# KiCad board Havoc6295_2_0.kicad_pro.kicad_pcb
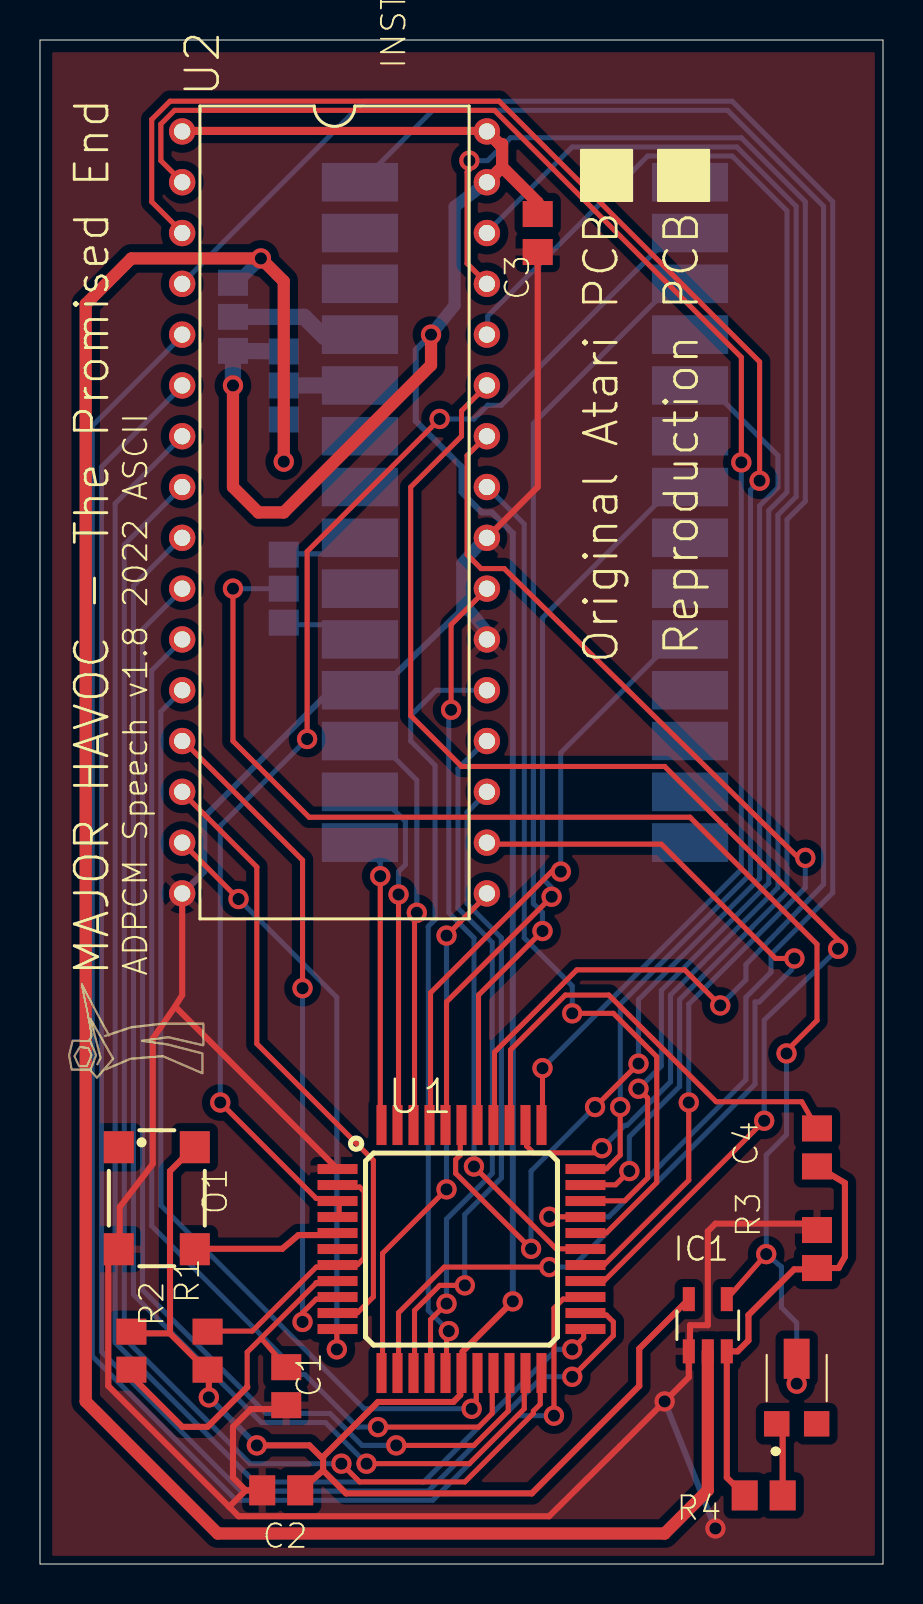
[diagram p0: board, top side]
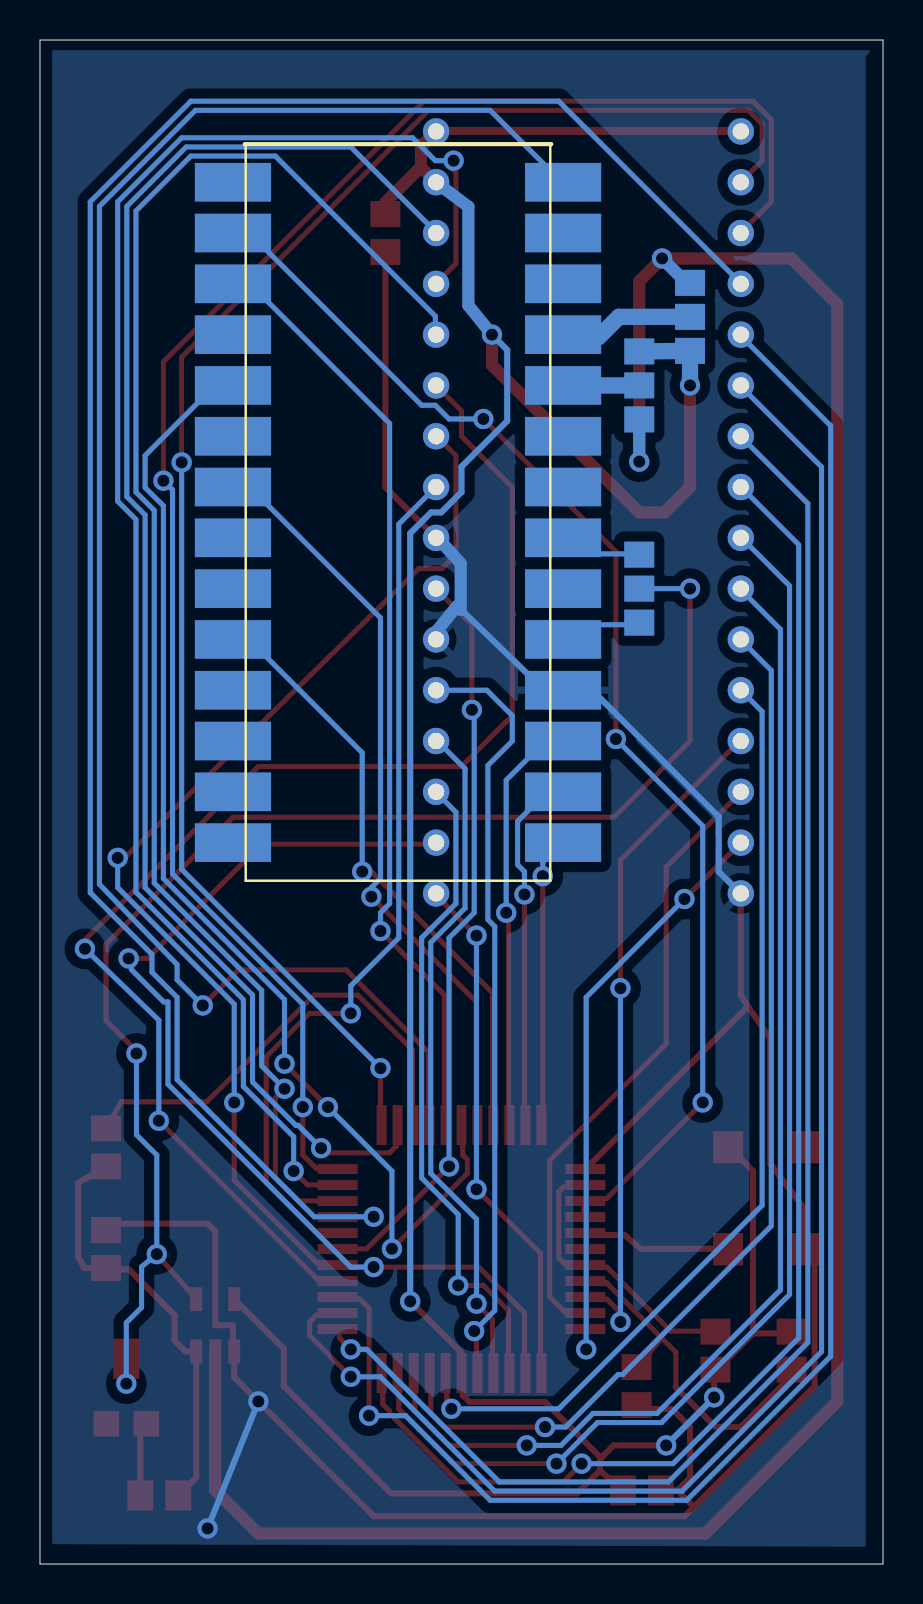
[diagram p1: board, bottom side, seen from below]

Outline 42.16 x 76.2 mm; copper layers: Top, Bottom. Coordinates in mm from the lower left corner of the outline.
Outline path: 0,76.2 0,0 42.16,0 42.16,76.2 0,76.2

## Placement (name value [footprint] x y rotation side)
C1  0.1uf  [C0805]  12.32 8.89 270 top
C2  0.1uf  [C0805]  12.07 3.68 180 top
C3  0.1uf  [C0805]  24.89 66.55 270 top
C4  0.1uf  [C0805]  38.86 20.83 270 top
IC1  LMV321M5X  [SOT23-5]  33.4 11.94 0 top
INSTALL @11N  TMS5220X  [DIL28-SMT]  28.7 61.47 270 bottom
JMP1  0R-JUMPB  [B0R-JMP]  12.19 48.77 0 bottom
JMP2  0R-JUMPB  [B0R-JMP]  9.65 62.36 180 bottom
JMP3  0R-JUMPB  [B0R-JMP]  12.19 58.93 180 bottom
O1  -  [SM77H]  5.84 18.29 270 top
R1  1K  [R0805]  8.38 10.67 270 top
R2  1K  [R0805]  4.57 10.67 90 top
R3  10K  [R0805]  38.86 15.75 270 top
R4  10K  [R0805]  36.2 3.43 0 top
U1  MSM6295  [PQFP44]  21.08 15.75 0 top
U2  M27C2001F  [FDIP32]  14.73 52.58 270 top
U$1  HAVOCASCII  [HAVOC]  1.4 24.26 0 top
VR1  -  [23BR20KLFTR]  37.85 8.64 90 top

## Footprints (pads in the part's own frame, mm; a bottom-side part is the same pattern mirrored in y, then rotated)
23BR20KLFTR
  rect 1.27x1.27 smd: 1(-1.625,1) 3(-1.625,-1)
  rect 2.007x1.295 smd: 2(1.625,0)
B0R-JMP
  rect 1.5x1.3 smd: 1(0,1.7) 2(0,0) 3(0,-1.7)
C0805
  rect 1.3x1.5 smd: 1(-0.95,0) 2(0.95,0)
DIL28-SMT
  rect 1.93x3.81 smd: P$1(-7.62,12.7) P$2(-5.08,12.7) P$3(-2.54,12.7) P$4(0,12.7) P$5(2.54,12.7) P$6(5.08,12.7) P$7(7.62,12.7) P$8(10.16,12.7) P$9(12.7,12.7) P$10(15.24,12.7) P$11(17.78,12.7) P$12(20.32,12.7) P$13(22.86,12.7) P$14(25.4,12.7) P$15(25.4,-3.81) P$16(22.86,-3.81) P$17(20.32,-3.81) P$18(17.78,-3.81) P$19(15.24,-3.81) P$20(12.7,-3.81) P$21(10.16,-3.81) P$22(7.62,-3.81) P$23(5.08,-3.81) P$24(2.54,-3.81) P$25(0,-3.81) P$26(-2.54,-3.81) P$27(-5.08,-3.81) P$28(-7.62,-3.81)
FDIP32
  round 1.321 hole 0.813: 1(-19.05,-7.62) 2(-16.51,-7.62) 3(-13.97,-7.62) 4(-11.43,-7.62) 5(-8.89,-7.62) 6(-6.35,-7.62) 7(-3.81,-7.62) 8(-1.27,-7.62) 9(1.27,-7.62) 10(3.81,-7.62) 11(6.35,-7.62) 12(8.89,-7.62) 13(11.43,-7.62) 14(13.97,-7.62) 15(16.51,-7.62) 16(19.05,-7.62) 17(19.05,7.62) 18(16.51,7.62) 19(13.97,7.62) 20(11.43,7.62) 21(8.89,7.62) 22(6.35,7.62) 23(3.81,7.62) 24(1.27,7.62) 25(-1.27,7.62) 26(-3.81,7.62) 27(-6.35,7.62) 28(-8.89,7.62) 29(-11.43,7.62) 30(-13.97,7.62) 31(-16.51,7.62) 32(-19.05,7.62)
PQFP44
  rect 2x0.5 smd: 1(-6.2,4) 2(-6.2,3.2) 3(-6.2,2.4) 4(-6.2,1.6) 5(-6.2,0.8) 6(-6.2,0) 7(-6.2,-0.8) 8(-6.2,-1.6) 9(-6.2,-2.4) 10(-6.2,-3.2) 11(-6.2,-4) 23(6.2,-4) 24(6.2,-3.2) 25(6.2,-2.4) 26(6.2,-1.6) 27(6.2,-0.8) 28(6.2,0) 29(6.2,0.8) 30(6.2,1.6) 31(6.2,2.4) 32(6.2,3.2) 33(6.2,4)
  rect 0.5x2 smd: 12(-4,-6.2) 13(-3.2,-6.2) 14(-2.4,-6.2) 15(-1.6,-6.2) 16(-0.8,-6.2) 17(0,-6.2) 18(0.8,-6.2) 19(1.6,-6.2) 20(2.4,-6.2) 21(3.2,-6.2) 22(4,-6.2) 34(4,6.2) 35(3.2,6.2) 36(2.4,6.2) 37(1.6,6.2) 38(0.8,6.2) 39(0,6.2) 40(-0.8,6.2) 41(-1.6,6.2) 42(-2.4,6.2) 43(-3.2,6.2) 44(-4,6.2)
R0805
  rect 1.3x1.5 smd: 1(-0.95,0) 2(0.95,0)
SM77H
  rect 1.6x1.5 smd: 1(-2.55,-1.9) 2(2.55,-1.9) 3(2.55,1.9) 4(-2.55,1.9)
SOT23-5
  rect 0.6x1.2 smd: 1(-0.95,-1.306) 2(0,-1.306) 3(0.95,-1.306) 4(0.95,1.306) 5(-0.95,1.306)

## Nets
+5V: C2.1 C3.1 IC1.5 JMP2.3 JMP3.1 O1.4 R1.2 R2.2 U1.17 U2.1 U2.31 U2.32
-5V: IC1.2 JMP2.1 JMP3.3
GND: C1.2 C2.2 C3.2 IC1.1 INSTALL @11N.P$11 O1.2 R3.1 U1.1 U2.16 U2.22 U2.24
N$1: U1.18 U2.12
N$2: U1.19 U2.11
N$3: U1.20 U2.10
N$4: U1.21 U2.9
N$5: U1.22 U2.8
N$6: INSTALL @11N.P$14 U1.44
N$7: INSTALL @11N.P$13 U1.43
N$8: INSTALL @11N.P$27 U1.3 U1.4
N$9: U1.25 U2.5
N$10: R1.1 U1.2 U1.7
N$11: C1.1 R2.1 U1.8
N$12: U1.9 U2.13
N$13: U1.10 U2.14
N$14: U1.11 U2.15
N$15: U1.12 U2.17
N$16: U1.13 U2.18
N$17: U1.14 U2.19
N$18: U1.15 U2.20
N$19: U1.16 U2.21
N$20: U1.23 U2.7
N$21: U1.24 U2.6
N$22: U1.26 U2.27
N$23: U1.27 U2.26
N$24: U1.28 U2.23
N$25: U1.29 U2.25
N$26: U1.30 U2.4
N$27: U1.31 U2.28
N$28: U1.32 U2.29
N$29: U1.33 U2.3
N$30: U1.34 U2.2
N$31: U1.35 U2.30
N$32: INSTALL @11N.P$12 U1.42
N$33: INSTALL @11N.P$19 U1.41
N$34: INSTALL @11N.P$22 U1.40
N$35: INSTALL @11N.P$24 U1.39
N$36: INSTALL @11N.P$26 U1.38
N$37: INSTALL @11N.P$1 U1.37
N$38: O1.3 U1.5
N$39: INSTALL @11N.P$4 JMP2.2
N$40: C4.1 U1.36
N$41: C4.2 IC1.3 R3.2 R4.1
N$42: INSTALL @11N.P$5 JMP3.2
N$43: INSTALL @11N.P$10 JMP1.1
N$44: INSTALL @11N.P$8 JMP1.3
N$45: R4.2 VR1.1
N$46: IC1.4 JMP1.2 VR1.2

Pads without a net: INSTALL @11N P$2 P$3 P$6 P$7 P$9 P$15 P$16 P$17 P$18 P$20 P$21 P$23 P$25 P$28; O1 1; U1 6; VR1 3

## Via types
v1: diameter 1.016, hole 0.61, Top to Bottom, 61 vias

## Routing (per net, layer and track width the routed paths; a pad name or vN(x,y) marks a point on that pad's centre or on a via; arc(x,y) is an arc through that point)
+5V: length 168.6
  Top w0.305: 14.16,5.36 16.9,8.1 20.68,8.1 21.02,8.45 21.02,9.47 U1.17 21.13,9.7 21.13,10.62 v1(23.65,13.13) ; 14.16,5.36 14.16,4.67 ; 14.16,5.36 14.05,5.36 13.47,5.93 v1(10.85,5.93) ; 14.16,4.67 15.3,3.53 24.6,3.53 29.97,8.9 29.97,10.76 IC1.5 ; 14.16,4.67 C2.1 ; 6.5,11.53 8.33,9.7 R1.2 8.45,9.59 v1(8.45,8.33) ; 6.5,11.53 6.5,19.65 7.65,20.79 O1.4 ; 6.5,11.53 4.67,11.53 R2.2 ; 22.39,69.14 U2.31 ; 7.19,71.65 U2.1 ; 22.39,71.54 U2.32 22.28,71.65
  Top w0.406: 22.28,71.65 7.19,71.65
  Top w0.61: C3.1 24.89,68.07 23.11,69.85 ; 23.11,69.85 23.11,70.99 22.99,70.99 U2.32 ; 23.11,69.85 22.4,69.14 22.39,69.14 ; v1(19.56,61.47) 19.56,59.94 12.19,52.58 10.92,52.58 9.65,53.85 v1(9.65,58.93)
  Bottom w0.305: v1(23.65,13.13) 23.65,51.54 22.61,52.58 22.1,52.58 21.08,53.59 21.08,54.86 18.8,57.15 18.8,60.71 v1(19.56,61.47) ; v1(10.85,5.93) v1(8.45,8.33) ; 22.28,69.02 U2.31
  Bottom w0.61: v1(19.56,61.47) 20.74,62.93 20.74,67.87 22.28,69.02
  Bottom w0.813: JMP3.1 JMP2.3 v1(9.65,58.93)
-5V: length 120.9
  Top w0.61: v1(12.19,55.12) 12.19,64.14 v1(11.05,65.28) 4.57,65.28 2.29,62.99 2.29,8.13 8.89,1.52 31.24,1.52 33.4,3.68 IC1.2
  Bottom w0.406: JMP2.1 9.83,64.06
  Bottom w0.61: JMP3.3 v1(12.19,55.12) ; 9.83,64.06 v1(11.05,65.28)
GND: length 144.9
  Top w0.305: 10.29,3.68 9.65,4.32 9.65,6.86 10.54,7.75 12.13,7.75 C1.2 ; 10.29,3.68 9.46,2.86 ; 10.29,3.68 C2.2 ; U1.1 6.76,27.88 ; 6.76,27.88 5.64,26.26 5.64,20 3.99,17.84 3.99,15.76 O1.2 3.87,15.65 3.42,15.19 3.42,8.9 9.46,2.86 ; 6.76,27.88 7.11,28.45 U2.16 ; 9.46,2.86 9.93,2.39 25.46,2.39 29.02,5.91 v1(31.24,8.13) 32.45,9.34 IC1.1 ; C3.2 24.89,53.85 U2.24 22.39,51.31 ; R3.1 38.54,17.02 33.78,17.02 33.4,16.64 33.4,11.94 32.51,11.94 32.51,10.67
  Bottom w0.305: v1(33.78,1.78) v1(31.24,8.13) ; 22.28,46.28 U2.22 ; 22.28,51.31 U2.24 ; 21.12,47.7 21.29,47.91 17.02,43.76 16.1,43.76 INSTALL @11N.P$11 15.87,43.65 14.5,43.65 8.22,37.36 8.22,34.62 7.19,33.59 U2.16
  Bottom w0.61: 21.12,47.7 21.12,50.03 22.28,51.31 ; 21.29,47.91 22.4,46.55 22.28,46.28
N$1: length 47.9
  Top w0.254: v1(21.59,7.76) 21.82,7.99 21.82,9.47 U1.18
  Bottom w0.254: v1(21.59,7.76) 16.22,7.76 6.05,17.93 6.05,42.62 U2.12
N$2: length 53.5
  Top w0.254: U1.19 22.62,9.47 22.62,7.53 21.93,6.85 v1(16.9,6.85)
  Bottom w0.254: v1(16.9,6.85) 15.87,6.85 13.25,9.47 13.02,9.47 5.59,16.9 5.59,44.68 7.07,46.16 U2.11
N$3: length 60
  Top w0.254: v1(17.82,5.93) 21.7,5.93 23.42,7.65 23.42,9.47 U1.20
  Bottom w0.254: v1(17.82,5.93) 16.1,5.93 14.5,7.53 11.3,7.53 5.13,13.7 5.13,46.74 7.07,48.68 U2.10
N$4: length 64.9
  Top w0.254: U1.21 24.22,9.47 24.22,7.76 21.48,5.02 v1(16.33,5.02)
  Bottom w0.254: U2.9 7.07,51.31 4.67,48.91 4.67,13.47 11.07,7.07 14.27,7.07 v1(16.33,5.02)
N$5: length 70.8
  Top w0.254: U1.22 25.02,9.47 25.02,7.99 24.68,7.65 24.68,7.53 21.25,4.1 15.99,4.1 v1(15.07,5.02)
  Bottom w0.254: v1(15.07,5.02) 10.5,5.02 4.22,11.3 4.22,50.97 7.07,53.82 U2.8
N$6: length 14.6
  Top w0.254: U1.44 17.02,22.05 v1(17.02,34.39)
  Bottom w0.254: INSTALL @11N.P$14 16.1,35.99 17.02,35.08 v1(17.02,34.39)
N$7: length 18.2
  Top w0.254: U1.43 17.93,22.05 v1(17.93,33.48)
  Bottom w0.254: v1(17.93,33.48) 17.93,34.62 18.28,34.96 18.28,37.13 16.9,38.51 16.1,38.51 INSTALL @11N.P$13
N$8: length 63.9
  Top w0.254: v1(19.99,57.25) 13.36,50.62 v1(13.36,41.25) ; v1(9.02,23.08) 13.82,18.28 14.85,18.28 U1.3 14.96,18.05 14.96,17.36 U1.4
  Bottom w0.254: v1(19.99,57.25) 21.7,57.25 22.39,57.94 23.08,57.94 31.65,66.51 32.45,66.51 INSTALL @11N.P$27 ; v1(13.36,41.25) 9.02,36.91 v1(9.02,23.08)
N$9: length 87.9
  Top w0.254: U1.25 27.19,13.25 26.16,13.25 25.7,12.79 v1(25.7,7.42)
  Bottom w0.254: U2.5 7.07,61.37 2.62,56.91 2.62,10.39 9.82,3.19 19.65,3.19 23.88,7.42 v1(25.7,7.42)
N$10: length 14.2
  Top w0.254: R1.1 8.45,11.65 10.62,11.65 13.82,14.85 14.85,14.85 U1.7 14.96,14.96 15.87,14.96 16.22,15.3 16.22,18.62 15.99,18.85 14.96,18.85 U1.2
N$11: length 17.8
  Top w0.254: 10.36,8.88 10.36,10.59 11.06,11.29 ; 11.06,11.29 13.82,14.05 ; 11.06,11.29 C1.1 ; 14.85,14.05 U1.8 ; 4.67,9.7 R2.1
  Top w0.305: 13.82,14.05 14.85,14.05 ; R2.1 4.57,9.4 7.11,6.86 8.38,6.86 10.36,8.84 10.36,8.88
N$12: length 34.1
  Top w0.254: v1(13.13,12.1) 13.13,12.56 13.82,13.25 14.85,13.25 U1.9 ; v1(13.13,28.79) 13.13,35.19 7.19,41.14 U2.13
  Bottom w0.254: v1(13.13,28.79) v1(13.13,12.1)
N$13: length 31.3
  Top w0.254: U2.14 7.19,38.51 10.85,34.85 10.85,26.01 16.68,20.18 16.68,13.36 15.87,12.56 14.96,12.56 U1.10
N$14: length 29.6
  Top w0.254: v1(14.85,10.73) 14.85,11.65 U1.11 ; U2.15 v1(9.93,33.25)
  Bottom w0.254: v1(9.93,33.25) 14.85,28.33 v1(14.85,10.73)
N$15: length 26.2
  Top w0.254: v1(20.33,31.42) 22.39,33.48 U2.17 ; v1(20.33,18.73) 17.13,15.53 17.13,9.59 U1.12
  Bottom w0.254: v1(20.33,31.42) v1(20.33,18.73)
N$16: length 50.6
  Top w0.254: U2.18 22.39,35.99 31.08,35.99 36.79,30.28 v1(37.73,30.28) ; U1.13 17.93,9.59 17.93,12.56 20.22,14.85 v1(25.48,14.85)
  Bottom w0.254: v1(37.73,30.28) 37.59,30.14 37.59,29.72 35.98,28.11 35.76,28.11 35.76,23.99 26.62,14.85 v1(25.48,14.85)
N$17: length 32.7
  Top w0.254: v1(21.25,13.93) 19.99,13.93 18.73,12.67 18.73,9.59 U1.14
  Bottom w0.254: v1(21.25,13.93) 21.25,17.48 23.08,19.3 23.08,31.31 21.36,33.02 21.36,37.59 22.28,38.51 U2.19
N$18: length 34.2
  Top w0.254: v1(20.33,13.02) 19.53,12.22 19.53,9.59 U1.15
  Bottom w0.254: v1(20.33,13.02) 20.33,17.25 22.62,19.53 22.62,31.08 20.9,32.79 20.9,39.76 22.28,41.14 U2.20
N$19: length 38.4
  Top w0.254: U1.16 20.33,9.59 20.33,11.53 v1(20.45,11.65)
  Bottom w0.254: U2.21 19.81,43.69 18.54,42.42 18.54,41.15 19.76,39.93 19.76,32.22 19.42,31.88 19.42,12.67 v1(20.45,11.65)
N$20: length 76.5
  Top w0.254: v1(26.62,10.73) 27.19,11.3 27.19,11.65 U1.23
  Bottom w0.254: v1(26.62,10.73) 25.82,10.73 19.19,4.1 10.73,4.1 3.76,11.07 3.76,53.02 7.07,56.34 U2.7
N$21: length 84
  Top w0.254: v1(26.62,9.36) 28.68,11.42 28.68,12.1 28.33,12.45 27.3,12.45 U1.24
  Bottom w0.254: U2.6 7.07,58.85 3.07,54.85 3.07,10.62 10.05,3.64 19.42,3.64 25.13,9.36 v1(26.62,9.36)
N$22: length 67
  Top w0.254: v1(36.22,22.16) 28.22,14.16 27.3,14.16 U1.26 ; v1(39.92,30.76) 39.98,31.14 31.24,39.88 21.08,39.88 18.54,42.42 18.54,53.85 21.08,56.39 21.08,57.66 U2.27
  Bottom w0.254: v1(39.92,30.76) 36.22,27.19 v1(36.22,22.16)
N$23: length 54.9
  Top w0.254: U1.27 27.3,14.96 28.22,14.96 32.45,19.19 v1(32.45,23.08) ; v1(38.28,35.31) 37.93,35.31 23.22,49.77 22.06,49.77 21.36,50.47 21.36,55.42 22.28,56.34 U2.26
  Bottom w0.254: v1(32.45,23.08) 32.45,27.99 38.28,33.82 v1(38.28,35.31)
N$24: length 37.5
  Top w0.254: U1.28 27.19,15.76 25.82,15.76 v1(21.7,19.88) ; v1(20.56,42.71) 20.56,46.96 22.28,48.68 U2.23
  Bottom w0.254: v1(20.56,42.71) 20.45,42.6 20.45,32.56 21.7,31.31 v1(21.7,19.88)
N$25: length 44.1
  Top w0.254: U1.29 27.3,16.56 28.33,16.56 30.85,19.08 30.85,25.36 28.68,27.53 v1(26.62,27.53)
  Bottom w0.254: v1(26.62,27.53) 26.62,28.91 24.22,31.31 24.22,51.99 22.39,53.82 U2.25
N$26: length 98.6
  Top w0.254: v1(25.48,17.36) 27.19,17.36 U1.30
  Bottom w0.254: U2.4 7.19,64.11 16.22,73.14 34.62,73.14 39.65,68.11 39.65,33.57 36.56,30.48 36.56,29.59 35.31,28.33 35.31,24.22 28.45,17.36 v1(25.48,17.36)
N$27: length 75.6
  Top w0.254: U1.31 27.3,18.16 29.25,18.16 30.39,19.3 30.39,23.3 v1(29.93,23.76)
  Bottom w0.254: v1(29.93,23.76) 31.08,24.9 31.08,28.68 36.45,34.05 36.45,52.68 37.36,53.59 37.36,67.65 34.62,70.4 30.39,70.4 22.39,62.4 22.39,61.48 U2.28
N$28: length 79.8
  Top w0.254: v1(21.48,70.17) 21.48,69.71 21.36,69.6 21.36,65.02 22.28,64.11 U2.29 ; U1.32 27.3,18.96 28.79,18.96 v1(29.48,19.65)
  Bottom w0.254: v1(29.48,19.65) 29.48,21.36 31.99,23.88 31.99,28.22 37.36,33.59 37.36,52.22 38.28,53.14 38.28,68.11 35.08,71.31 23.53,71.31 22.39,70.17 v1(21.48,70.17)
N$29: length 87.1
  Top w0.254: U2.3 7.07,66.62 5.59,68.11 5.59,72.22 6.5,73.14 22.96,73.14 35.99,60.11 v1(35.99,54.17) ; v1(29.02,22.85) 29.02,20.45 28.33,19.76 27.3,19.76 U1.33
  Bottom w0.254: v1(29.02,22.85) 29.02,27.99 35.53,34.51 35.53,53.71 v1(35.99,54.17)
N$30: length 80.3
  Top w0.254: v1(25.13,24.79) 25.13,22.05 U1.34 ; U2.2 7.07,69.14 6.05,70.17 6.05,72 6.73,72.68 22.73,72.68 35.08,60.34 v1(35.08,55.08)
  Bottom w0.254: v1(25.13,24.79) 35.08,34.73 v1(35.08,55.08)
N$31: length 74.8
  Top w0.254: v1(28.11,20.79) 27.88,20.56 24.68,20.56 24.33,20.9 24.33,21.93 U1.35
  Bottom w0.254: v1(28.11,20.79) 29.25,21.93 29.36,21.93 31.53,24.1 31.53,28.45 36.91,33.82 36.91,52.45 37.82,53.37 37.82,67.88 34.85,70.85 26.62,70.85 22.39,66.62 U2.30
N$32: length 21
  Top w0.254: U1.42 18.73,22.05 18.73,32.45 v1(18.85,32.56)
  Bottom w0.254: INSTALL @11N.P$12 16.1,41.14 16.9,41.14 18.85,39.19 v1(18.85,32.56)
N$33: length 30.4
  Top w0.254: U1.41 19.53,22.05 19.53,28.56 25.59,34.62 v1(26.05,34.62)
  Bottom w0.254: v1(26.05,34.62) 26.05,40.56 31.65,46.16 32.45,46.16 INSTALL @11N.P$19
N$34: length 37.8
  Top w0.254: v1(25.59,33.36) 20.33,28.11 20.33,22.05 U1.40
  Bottom w0.254: INSTALL @11N.P$22 32.45,53.82 31.65,53.82 25.13,47.31 25.13,34.28 25.59,33.82 v1(25.59,33.36)
N$35: length 58.5
  Top w0.254: U1.39 21.02,21.93 21.02,20.45 20.79,20.22 20.79,19.53 v1(24.56,15.76) ; v1(29.93,25.02) v1(27.76,22.85)
  Bottom w0.254: INSTALL @11N.P$24 32.56,58.85 33.48,58.85 36.91,55.42 36.91,53.82 35.99,52.91 35.99,34.28 29.93,28.22 v1(29.93,25.02) ; v1(27.76,22.85) 24.56,19.65 v1(24.56,15.76)
N$36: length 47.3
  Top w0.254: v1(25.13,31.65) 21.93,28.45 21.93,22.05 U1.38
  Bottom w0.254: v1(25.13,31.65) 25.13,32.56 24.68,33.02 24.68,57.02 31.65,64 32.45,64 INSTALL @11N.P$26
N$37: length 86.1
  Top w0.254: v1(34.02,27.93) 32.25,29.71 26.85,29.71 22.73,25.59 22.73,22.05 U1.37
  Bottom w0.254: INSTALL @11N.P$1 16.1,69.14 19.65,72.68 34.39,72.68 39.19,67.88 39.19,33.99 35.31,29.97 35.31,29.21 v1(34.02,27.93)
N$38: length 7.5
  Top w0.254: 14.85,16.45 U1.5 ; 7.76,15.76 O1.3
  Top w0.305: 14.85,16.45 12.93,16.45 12.12,15.76 7.76,15.76
N$39: length 6.8
  Bottom w0.406: 14.22,61.34 15.87,61.34 INSTALL @11N.P$4
  Bottom w0.813: JMP2.2 13.21,62.36 14.22,61.34
N$40: length 23.2
  Top w0.254: C4.1 38.1,23.11 33.82,23.11 28.45,28.45 26.28,28.45 23.53,25.7 23.53,22.05 U1.36
N$41: length 21.6
  Top w0.305: C4.2 40.26,19.05 40.26,15.37 39.94,14.8 R3.2 38.8,14.73 37.72,14.73 35.43,12.45 35.43,11.18 34.89,10.63 IC1.3 34.35,4.32 R4.1
N$42: length 3.8
  Bottom w0.813: JMP3.2 INSTALL @11N.P$5
N$43: length 4.2
  Bottom w0.254: JMP1.1 12.22,46.96 15.3,46.96 15.99,46.28 INSTALL @11N.P$10
N$44: length 4.2
  Bottom w0.254: JMP1.3 12.22,50.51 15.19,50.51 15.99,51.31 INSTALL @11N.P$8
N$45: length 3.7
  Top w0.305: R4.2 37.14,6.71 VR1.1
N$46: length 71.5
  Top w0.254: v1(36.32,15.49) IC1.4 ; v1(37.34,25.53) 37.34,25.65 38.86,27.18 38.86,30.99 32.51,37.34 13.46,37.34 9.65,41.15 v1(9.65,48.77)
  Top w0.305: v1(37.85,9.02) VR1.2
  Bottom w0.254: v1(9.65,48.77) JMP1.2 ; v1(37.34,25.53) 37.34,21.46 36.32,20.45 v1(36.32,15.49) 37.08,14.86 37.08,12.83 37.85,12.06 v1(37.85,9.02)

## Copper pours and planes (outline as drawn; the poured copper is in the pictures)
GND on Top: 41.81,0.36 0.61,0.36 0.61,75.59 41.81,75.59
GND on Bottom: 41.55,0.99 0.86,0.86 0.86,75.37 0.52,75.72 41.55,75.72
(no net) on Top: 37.21,10.79 38.48,10.79 38.48,12.06 37.21,12.06

## Text on the board
F.Silkscreen: ADPCM Speech v1.8 2022 ASCII | MAJOR HAVOC - The Promised End | Original Atari PCB | Reproduction PCB
